# KiCad board PANEL5x4_COM_MOD.kicad_pcb (continued)
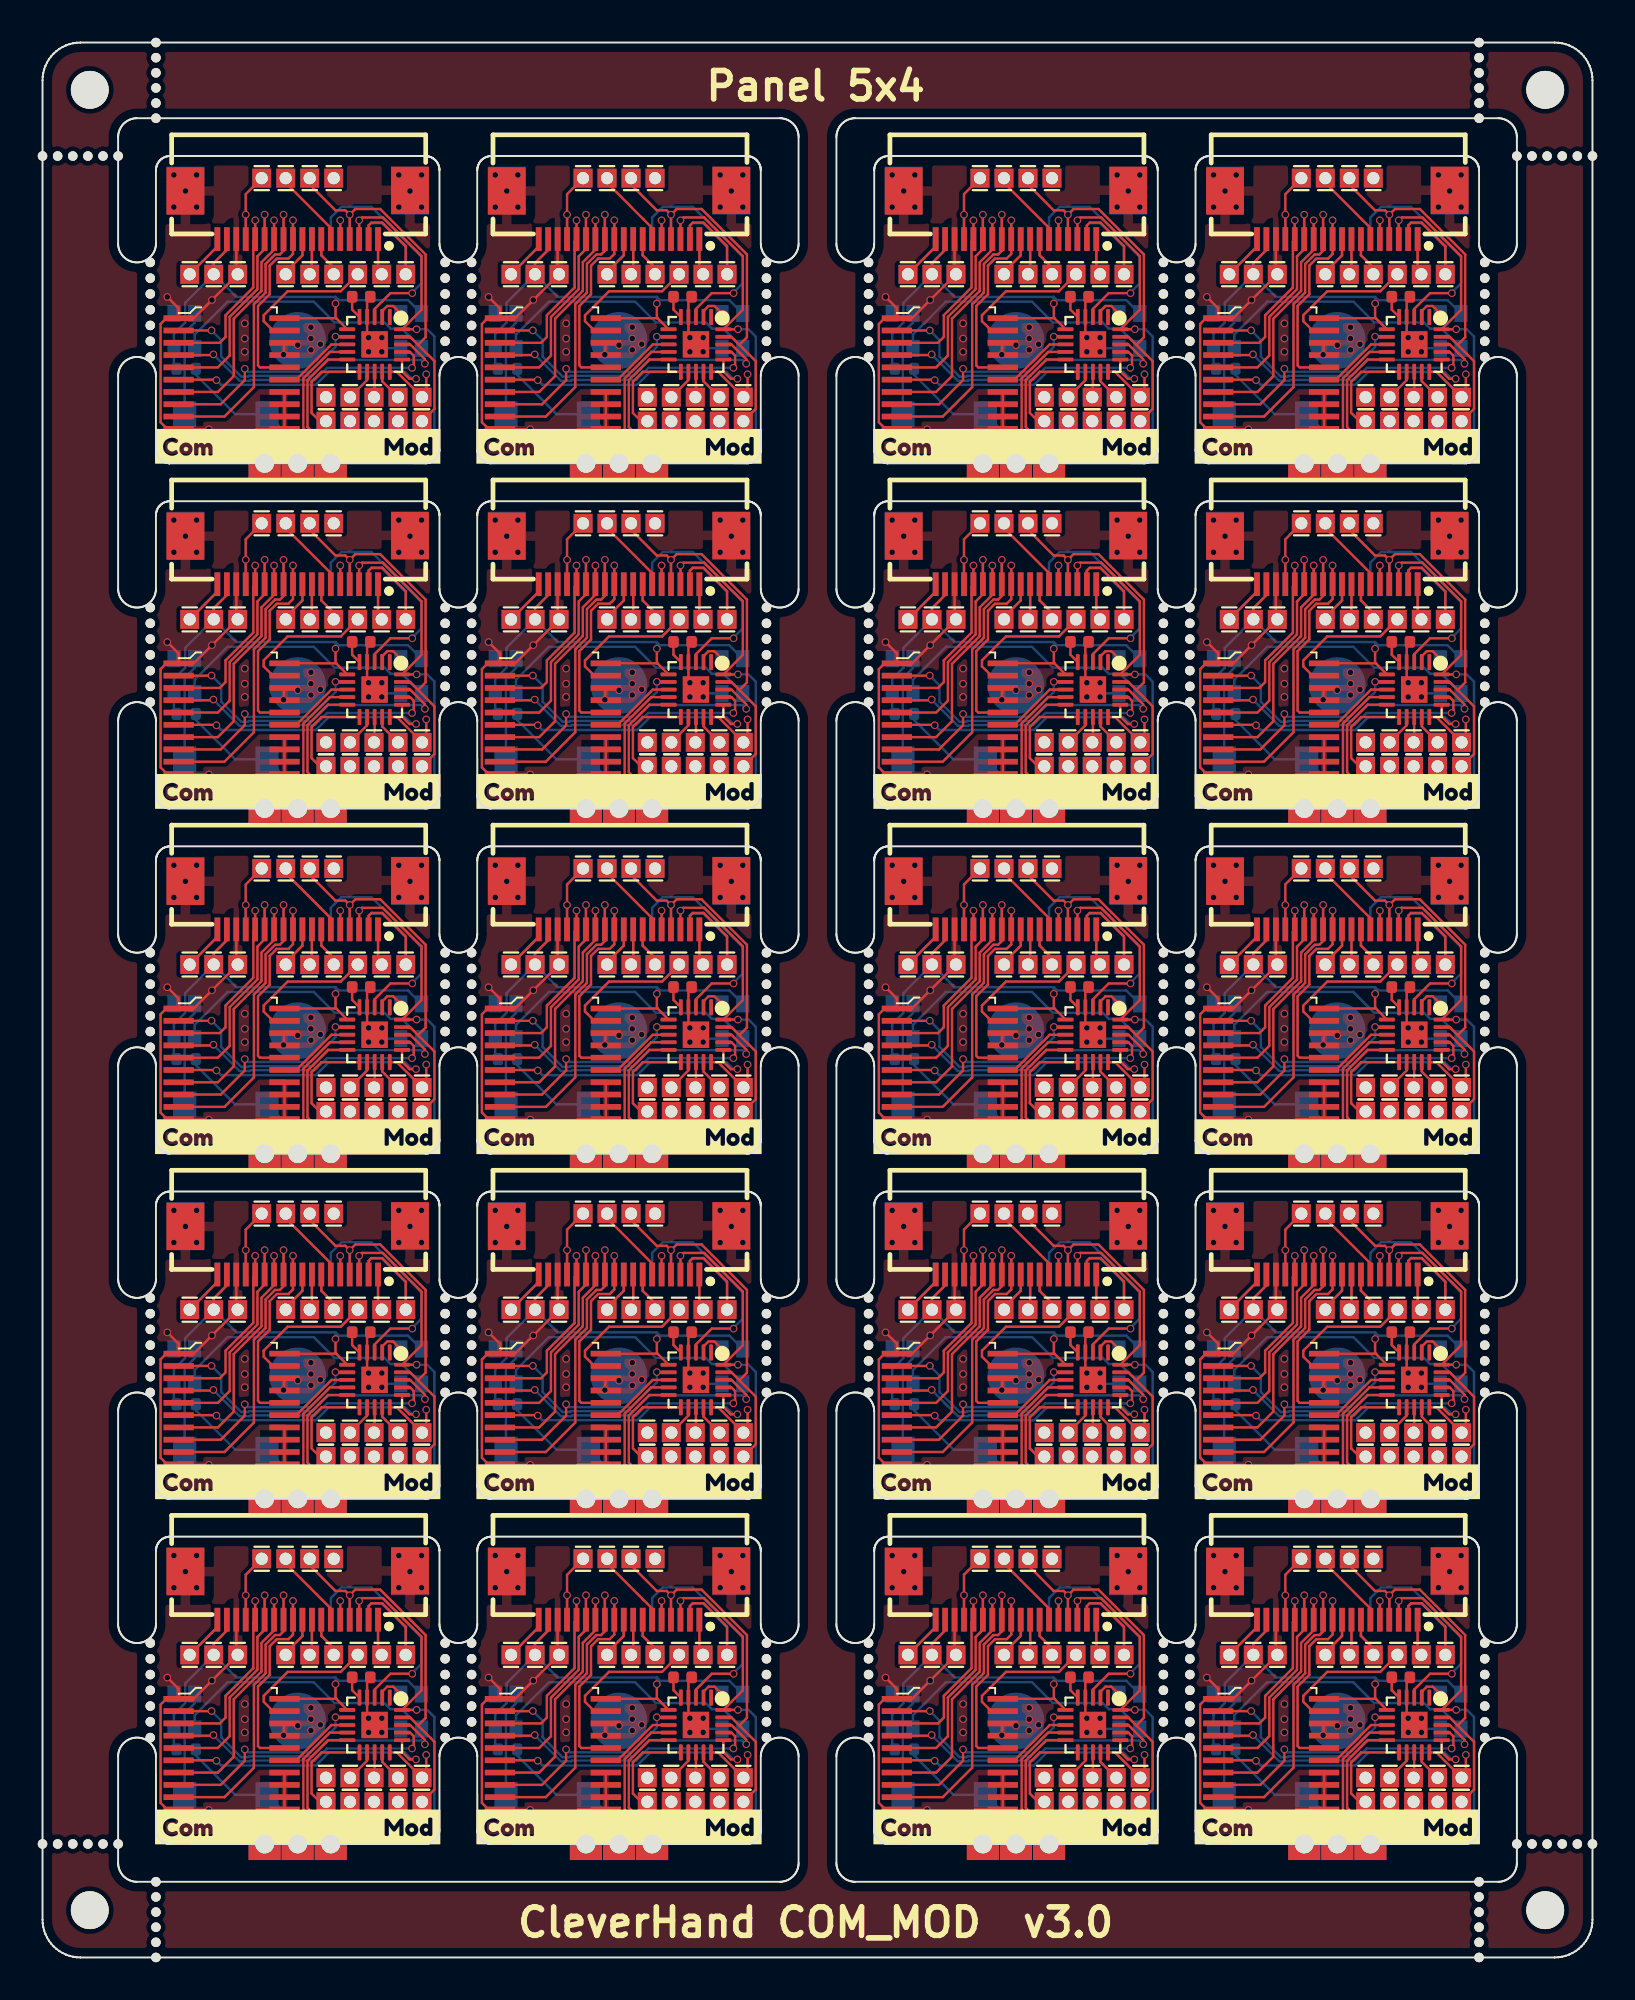
[diagram p0: board, top side]
## Nets (continued)
Board_15-/LED_IN: LED1#20.3 U1#16.2
Board_15-/LED_OUT: LED2#17.1
Board_15-/PICO: FPC1#2.11 FPC2#11.8 J6#18.1
Board_15-/PICO_ARM: J13#8.1 U1#16.13
Board_15-/POCI: FPC1#2.10 FPC2#11.9 J5.1
Board_15-/SCLK: FPC1#2.12 FPC2#11.7 J7#8.1
Board_15-/SCLK_ARM: J14#20.1 U1#16.12
Board_15-/SPICS_ARM: J15#10.1 U1#16.9
Board_15-/SWDIO/POCI_ARM: J12#20.1 U1#16.14
Board_15-/Vcap: C1#7.2 U1#16.5
Board_15-GND: C1#7.1 FPC1#2.3 FPC1#2.19 FPC1#2.20 FPC2#11.16 FPC2#11.19 FPC2#11.20 I1#12.1 J2#13.1 J22#13.1 J24#3.1 J25#11.1 J26#18.1 LED1#20.2 LED2#17.2 SW1#18.2 U1#16.4 U1#16.21 U2#19.1 U2#19.10 U2#19.11 U2#19.12 U2#19.13 U2#19.14 U2#19.17 U2#19.18
Board_15-Net-(LED1-DO): LED1#20.1 LED2#17.3
Board_15-unconnected-(U1-P00-Pad1): U1#16.1
Board_16-+3.3V: FPC1#15.2 FPC2#3.17 J1#4.1 LED1#3.4 LED2#15.4 R1#5.1 U1.6 U2#20.20
Board_16-/addr_bus_0: FPC1#15.5 FPC2#3.14 U2#20.3
Board_16-/addr_bus_1: FPC1#15.6 FPC2#3.13 U2#20.5
Board_16-/addr_bus_2: FPC1#15.7 FPC2#3.12 U2#20.7
Board_16-/addr_bus_3: FPC1#15.8 FPC2#3.11 U2#20.9
Board_16-/addr_bus_4: FPC1#15.9 FPC2#3.10 U2#20.16
Board_16-/addr_mod_0: U1.18 U2#20.2
Board_16-/addr_mod_1: U1.17 U2#20.4
Board_16-/addr_mod_2: U1.16 U2#20.6
Board_16-/addr_mod_3: U1.7 U2#20.8
Board_16-/addr_mod_4: U1.8 U2#20.15
Board_16-/AIN0: J18#20.1 U1.11
Board_16-/AUX1: FPC1#15.1 FPC2#3.18 J19#9.1
Board_16-/AUX2: FPC1#15.17 FPC2#3.2 J20#10.1
Board_16-/AUX3: FPC1#15.4 FPC2#3.15 J3#13.1
Board_16-/CSB: J8#14.1 U2#20.19
Board_16-/extRef: FPC1#15.18 FPC2#3.1 J9#8.1
Board_16-/GPIO: J21#16.1 R1#5.2 SW1#4.1 U1.10
Board_16-/i2C_SCL: FPC1#15.16 FPC2#3.3 J16#3.1 J23#13.1 U1.20
Board_16-/I2C_SDA: FPC1#15.15 FPC2#3.4 J10#11.1 J17#4.1 U1.19
Board_16-/IO1_in: FPC1#15.13 U1.3
Board_16-/IO1_out: FPC2#3.6 J4#16.1 J11#4.1 U1.15
Board_16-/IO2: FPC1#15.14 FPC2#3.5
Board_16-/LED_IN: LED1#3.3 U1.2
Board_16-/LED_OUT: LED2#15.1
Board_16-/PICO: FPC1#15.11 FPC2#3.8 J6#6.1
Board_16-/PICO_ARM: J13.1 U1.13
Board_16-/POCI: FPC1#15.10 FPC2#3.9 J5#8.1
Board_16-/SCLK: FPC1#15.12 FPC2#3.7 J7.1
Board_16-/SCLK_ARM: J14#3.1 U1.12
Board_16-/SPICS_ARM: J15#2.1 U1.9
Board_16-/SWDIO/POCI_ARM: J12#2.1 U1.14
Board_16-/Vcap: C1#15.2 U1.5
Board_16-GND: C1#15.1 FPC1#15.3 FPC1#15.19 FPC1#15.20 FPC2#3.16 FPC2#3.19 FPC2#3.20 I1#7.1 J2#12.1 J22#17.1 J24#15.1 J25#15.1 J26#8.1 LED1#3.2 LED2#15.2 SW1#4.2 U1.4 U1.21 U2#20.1 U2#20.10 U2#20.11 U2#20.12 U2#20.13 U2#20.14 U2#20.17 U2#20.18
Board_16-Net-(LED1-DO): LED1#3.1 LED2#15.3
Board_16-unconnected-(U1-P00-Pad1): U1.1
Board_17-+3.3V: FPC1#17.2 FPC2#10.17 J1#5.1 LED1#10.4 LED2#11.4 R1#18.1 U1#2.6 U2#15.20
Board_17-/addr_bus_0: FPC1#17.5 FPC2#10.14 U2#15.3
Board_17-/addr_bus_1: FPC1#17.6 FPC2#10.13 U2#15.5
Board_17-/addr_bus_2: FPC1#17.7 FPC2#10.12 U2#15.7
Board_17-/addr_bus_3: FPC1#17.8 FPC2#10.11 U2#15.9
Board_17-/addr_bus_4: FPC1#17.9 FPC2#10.10 U2#15.16
Board_17-/addr_mod_0: U1#2.18 U2#15.2
Board_17-/addr_mod_1: U1#2.17 U2#15.4
Board_17-/addr_mod_2: U1#2.16 U2#15.6
Board_17-/addr_mod_3: U1#2.7 U2#15.8
Board_17-/addr_mod_4: U1#2.8 U2#15.15
Board_17-/AIN0: J18.1 U1#2.11
Board_17-/AUX1: FPC1#17.1 FPC2#10.18 J19#10.1
Board_17-/AUX2: FPC1#17.17 FPC2#10.2 J20#20.1
Board_17-/AUX3: FPC1#17.4 FPC2#10.15 J3.1
Board_17-/CSB: J8#16.1 U2#15.19
Board_17-/extRef: FPC1#17.18 FPC2#10.1 J9#11.1
Board_17-/GPIO: J21#14.1 R1#18.2 SW1#9.1 U1#2.10
Board_17-/i2C_SCL: FPC1#17.16 FPC2#10.3 J16#14.1 J23#5.1 U1#2.20
Board_17-/I2C_SDA: FPC1#17.15 FPC2#10.4 J10#3.1 J17.1 U1#2.19
Board_17-/IO1_in: FPC1#17.13 U1#2.3
Board_17-/IO1_out: FPC2#10.6 J4#13.1 J11#20.1 U1#2.15
Board_17-/IO2: FPC1#17.14 FPC2#10.5
Board_17-/LED_IN: LED1#10.3 U1#2.2
Board_17-/LED_OUT: LED2#11.1
Board_17-/PICO: FPC1#17.11 FPC2#10.8 J6#14.1
Board_17-/PICO_ARM: J13#5.1 U1#2.13
Board_17-/POCI: FPC1#17.10 FPC2#10.9 J5#11.1
Board_17-/SCLK: FPC1#17.12 FPC2#10.7 J7#14.1
Board_17-/SCLK_ARM: J14#17.1 U1#2.12
Board_17-/SPICS_ARM: J15#4.1 U1#2.9
Board_17-/SWDIO/POCI_ARM: J12#3.1 U1#2.14
Board_17-/Vcap: C1#5.2 U1#2.5
Board_17-GND: C1#5.1 FPC1#17.3 FPC1#17.19 FPC1#17.20 FPC2#10.16 FPC2#10.19 FPC2#10.20 I1#19.1 J2.1 J22#7.1 J24#14.1 J25#16.1 J26#3.1 LED1#10.2 LED2#11.2 SW1#9.2 U1#2.4 U1#2.21 U2#15.1 U2#15.10 U2#15.11 U2#15.12 U2#15.13 U2#15.14 U2#15.17 U2#15.18
Board_17-Net-(LED1-DO): LED1#10.1 LED2#11.3
Board_17-unconnected-(U1-P00-Pad1): U1#2.1
Board_18-+3.3V: FPC1#19.2 FPC2#2.17 J1#7.1 LED1#11.4 LED2#8.4 R1#14.1 U1#15.6 U2#8.20
Board_18-/addr_bus_0: FPC1#19.5 FPC2#2.14 U2#8.3
Board_18-/addr_bus_1: FPC1#19.6 FPC2#2.13 U2#8.5
Board_18-/addr_bus_2: FPC1#19.7 FPC2#2.12 U2#8.7
Board_18-/addr_bus_3: FPC1#19.8 FPC2#2.11 U2#8.9
Board_18-/addr_bus_4: FPC1#19.9 FPC2#2.10 U2#8.16
Board_18-/addr_mod_0: U1#15.18 U2#8.2
Board_18-/addr_mod_1: U1#15.17 U2#8.4
Board_18-/addr_mod_2: U1#15.16 U2#8.6
Board_18-/addr_mod_3: U1#15.7 U2#8.8
Board_18-/addr_mod_4: U1#15.8 U2#8.15
Board_18-/AIN0: J18#13.1 U1#15.11
Board_18-/AUX1: FPC1#19.1 FPC2#2.18 J19#6.1
Board_18-/AUX2: FPC1#19.17 FPC2#2.2 J20#12.1
Board_18-/AUX3: FPC1#19.4 FPC2#2.15 J3#19.1
Board_18-/CSB: J8#18.1 U2#8.19
Board_18-/extRef: FPC1#19.18 FPC2#2.1 J9#15.1
Board_18-/GPIO: J21#8.1 R1#14.2 SW1#5.1 U1#15.10
Board_18-/i2C_SCL: FPC1#19.16 FPC2#2.3 J16#9.1 J23#18.1 U1#15.20
Board_18-/I2C_SDA: FPC1#19.15 FPC2#2.4 J10.1 J17#20.1 U1#15.19
Board_18-/IO1_in: FPC1#19.13 U1#15.3
Board_18-/IO1_out: FPC2#2.6 J4#15.1 J11#6.1 U1#15.15
Board_18-/IO2: FPC1#19.14 FPC2#2.5
Board_18-/LED_IN: LED1#11.3 U1#15.2
Board_18-/LED_OUT: LED2#8.1
Board_18-/PICO: FPC1#19.11 FPC2#2.8 J6#4.1
Board_18-/PICO_ARM: J13#12.1 U1#15.13
Board_18-/POCI: FPC1#19.10 FPC2#2.9 J5#12.1
Board_18-/SCLK: FPC1#19.12 FPC2#2.7 J7#11.1
Board_18-/SCLK_ARM: J14#14.1 U1#15.12
Board_18-/SPICS_ARM: J15#17.1 U1#15.9
Board_18-/SWDIO/POCI_ARM: J12#10.1 U1#15.14
Board_18-/Vcap: C1#2.2 U1#15.5
Board_18-GND: C1#2.1 FPC1#19.3 FPC1#19.19 FPC1#19.20 FPC2#2.16 FPC2#2.19 FPC2#2.20 I1#6.1 J2#8.1 J22#3.1 J24#4.1 J25#4.1 J26#2.1 LED1#11.2 LED2#8.2 SW1#5.2 U1#15.4 U1#15.21 U2#8.1 U2#8.10 U2#8.11 U2#8.12 U2#8.13 U2#8.14 U2#8.17 U2#8.18
Board_18-Net-(LED1-DO): LED1#11.1 LED2#8.3
Board_18-unconnected-(U1-P00-Pad1): U1#15.1
Board_19-+3.3V: FPC1#9.2 FPC2#5.17 J1#11.1 LED1#18.4 LED2#19.4 R1#17.1 U1#20.6 U2#14.20
Board_19-/addr_bus_0: FPC1#9.5 FPC2#5.14 U2#14.3
Board_19-/addr_bus_1: FPC1#9.6 FPC2#5.13 U2#14.5
Board_19-/addr_bus_2: FPC1#9.7 FPC2#5.12 U2#14.7
Board_19-/addr_bus_3: FPC1#9.8 FPC2#5.11 U2#14.9
Board_19-/addr_bus_4: FPC1#9.9 FPC2#5.10 U2#14.16
Board_19-/addr_mod_0: U1#20.18 U2#14.2
Board_19-/addr_mod_1: U1#20.17 U2#14.4
Board_19-/addr_mod_2: U1#20.16 U2#14.6
Board_19-/addr_mod_3: U1#20.7 U2#14.8
Board_19-/addr_mod_4: U1#20.8 U2#14.15
Board_19-/AIN0: J18#19.1 U1#20.11
Board_19-/AUX1: FPC1#9.1 FPC2#5.18 J19#5.1
Board_19-/AUX2: FPC1#9.17 FPC2#5.2 J20#8.1
Board_19-/AUX3: FPC1#9.4 FPC2#5.15 J3#4.1
Board_19-/CSB: J8#3.1 U2#14.19
Board_19-/extRef: FPC1#9.18 FPC2#5.1 J9#9.1
Board_19-/GPIO: J21#17.1 R1#17.2 SW1#6.1 U1#20.10
Board_19-/i2C_SCL: FPC1#9.16 FPC2#5.3 J16#16.1 J23#20.1 U1#20.20
Board_19-/I2C_SDA: FPC1#9.15 FPC2#5.4 J10#6.1 J17#15.1 U1#20.19
Board_19-/IO1_in: FPC1#9.13 U1#20.3
Board_19-/IO1_out: FPC2#5.6 J4#6.1 J11#9.1 U1#20.15
Board_19-/IO2: FPC1#9.14 FPC2#5.5
Board_19-/LED_IN: LED1#18.3 U1#20.2
Board_19-/LED_OUT: LED2#19.1
Board_19-/PICO: FPC1#9.11 FPC2#5.8 J6#19.1
Board_19-/PICO_ARM: J13#2.1 U1#20.13
Board_19-/POCI: FPC1#9.10 FPC2#5.9 J5#10.1
Board_19-/SCLK: FPC1#9.12 FPC2#5.7 J7#2.1
Board_19-/SCLK_ARM: J14#11.1 U1#20.12
Board_19-/SPICS_ARM: J15#18.1 U1#20.9
Board_19-/SWDIO/POCI_ARM: J12#19.1 U1#20.14
Board_19-/Vcap: C1#19.2 U1#20.5
Board_19-GND: C1#19.1 FPC1#9.3 FPC1#9.19 FPC1#9.20 FPC2#5.16 FPC2#5.19 FPC2#5.20 I1#4.1 J2#6.1 J22#10.1 J24#8.1 J25#10.1 J26.1 LED1#18.2 LED2#19.2 SW1#6.2 U1#20.4 U1#20.21 U2#14.1 U2#14.10 U2#14.11 U2#14.12 U2#14.13 U2#14.14 U2#14.17 U2#14.18
Board_19-Net-(LED1-DO): LED1#18.1 LED2#19.3
Board_19-unconnected-(U1-P00-Pad1): U1#20.1

## Via types
v1: diameter 0.4, hole 0.3, Top to Bottom, 980 vias

## Routing (per net, layer and track width the routed paths; a pad name or vN(x,y) marks a point on that pad's centre or on a via; arc(x,y) is an arc through that point)
Board_0-+3.3V: length 26.7
  Top w0.127: 15.55,86.66 15.5,86.71 v1(15.5,87.45) ; 15.55,86.66 15.53,86.68 U2#17.20 ; 15.55,86.66 U1#3.6 ; 9.75,90.83 9.75,90.29 9.05,89.59 J1#14.1
  Bottom w0.127: J1#14.1 9.05,89.59 9.75,90.29 9.75,90.83 ; J1#14.1 7.55,87.49 7.55,86.45 6.95,85.85 6.95,84.14 R1#10.1 ; J1#14.1 10.25,87.8 15.5,87.8 ; 15.5,87.8 15.67,87.63 19.34,87.63 20.05,86.92 ; 15.5,87.8 v1(15.5,87.45)
Board_0-/addr_bus_0: length 10.5
  Top w0.127: U2#17.3 9.37,85.38 9.68,85.68 9.68,86.83 11.15,88.3 11.15,90.73 11.25,90.83 v1(11.25,91.85)
  Bottom w0.127: 11.25,90.83 v1(11.25,91.85)
Board_0-/addr_bus_1: length 12.5
  Top w0.127: U2#17.5 9.27,84.08 9.9,84.7 9.9,86.74 11.37,88.21 11.37,89.95 11.75,90.33 v1(11.75,92.15)
  Bottom w0.127: 11.75,90.83 v1(11.75,92.15)
Board_0-/addr_bus_2: length 13.4
  Top w0.127: U2#17.7 9.27,82.78 10.12,83.62 10.12,86.65 11.58,88.12 11.58,89.63 12.25,90.3 v1(12.25,91.85)
  Bottom w0.127: 12.25,90.83 v1(12.25,91.85)
Board_0-/addr_bus_3: length 15.9
  Top w0.127: v1(12.75,92.15) 12.75,90.24 12.55,90.05 12.3,90.05 11.8,89.54 11.8,88.03 11.18,87.41 11.18,83.03 9.62,81.48 U2#17.9
  Bottom w0.127: 12.75,90.83 v1(12.75,92.15)
Board_0-/addr_bus_4: length 11.3
  Top w0.127: v1(13.25,91.85) 13.25,90.07 13.01,89.83 12.39,89.83 12.02,89.45 12.02,87.94 11.4,87.32 11.4,84.18 11.5,84.08 U2#17.16
  Bottom w0.127: 13.25,90.83 v1(13.25,91.85)
Board_0-/addr_mod_0: length 16.8
  Top w0.127: U1#3.18 19.44,85.29 20.23,84.51 v1(20.23,84.27) ; v1(8.94,86.03) 8.93,86.03 U2#17.2
  Bottom w0.127: v1(20.23,84.27) 20.03,84.47 15.12,84.47 14.27,83.63 10.91,83.63 10.87,83.59 10.51,83.59 9.45,84.65 9.45,85.52 v1(8.94,86.03)
Board_0-/addr_mod_1: length 14.6
  Top w0.127: U1#3.17 19.44,84.89 19.64,84.7 19.64,84.2 19.55,84.11 v1(19.55,84.05) ; U2#17.4 9,84.73 v1(9.04,84.76)
  Bottom w0.127: v1(19.55,84.05) 15.05,84.05 14.41,83.41 11,83.41 10.96,83.37 10.42,83.37 9.04,84.75 v1(9.04,84.76)
Board_0-/addr_mod_2: length 14.6
  Top w0.127: v1(19.76,83.47) 19.42,83.47 19.02,83.87 U1#3.16 ; U2#17.6 9.17,83.43 v1(9.2,83.4)
  Bottom w0.127: v1(19.76,83.47) 19.55,83.47 19.18,83.83 15.14,83.83 14.46,83.15 9.45,83.15 v1(9.2,83.4)
Board_0-/addr_mod_3: length 11.2
  Top w0.127: U2#17.8 9.42,82.13 10.7,83.4 v1(10.7,84) ; U1#3.7 15.69,85.69 15.68,85.7 v1(15.5,85.7)
  Bottom w0.127: v1(10.7,84) 10.85,83.85 14.18,83.85 15.5,85.16 v1(15.5,85.7)
Board_0-/addr_mod_4: length 4.1
  Top w0.127: U1#3.8 16.12,85.29 15.29,85.29 13.42,83.43 U2#17.15
Board_0-/AIN0: length 5.3
  Top w0.127: U1#3.11 14.76,83.84 14.23,83.31 14.23,81.67 14.67,81.23 15,81.23
Board_0-/AUX1: length 4.9
  Top w0.127: J19#20.1 9.25,90.47 9.25,90.83
  Bottom w0.127: J19#20.1 9.25,90.47 9.25,90.83
Board_0-/AUX2: length 9.5
  Top w0.127: J20.1 19.21,90.49 17.97,91.73 17.4,91.73 17.25,91.58 17.25,90.83
  Bottom w0.127: J20.1 19.21,90.44 17.96,91.7 17.37,91.7 17.25,91.58 17.25,90.83
Board_0-/AUX3: length 4.9
  Top w0.127: 10.75,90.83 v1(10.75,92.15) 10.75,93.24 J3#14.1
  Bottom w0.127: v1(10.75,92.15) 10.75,90.83
Board_0-/CSB: length 7.5
  Top w0.127: J8#17.1 15.77,88.1 12.97,88.1 11.7,86.83 11.7,86.52 12.19,86.03 U2#17.19
Board_0-/extRef: length 3.8
  Top w0.127: 17.75,90.83 17.75,89.2 J9#18.1
  Bottom w0.127: J9#18.1 17.75,89.2 17.75,90.83
Board_0-/GPIO: length 17.7
  Top w0.127: U1#3.10 15.1,84.49 14.02,83.4 14.02,80.92 14.36,80.58 15.62,80.58 16.27,81.23
  Bottom w0.127: 16.27,81.23 15.62,80.58 12.91,80.58 11.88,81.6 10.19,81.6 8.11,83.68 R1#10.2
Board_0-/i2C_SCL: length 22.5
  Top w0.127: v1(19.79,86.09) U1#3.20 20.05,87.12 20.05,89.96 18.01,92 16.9,92 v1(16.75,91.85) 16.75,90.83
  In2.Cu w0.127: v1(16.75,91.85) 16.75,92.74 J23#7.1
  Bottom w0.127: v1(16.75,91.85) 16.75,90.83 ; v1(19.79,86.09) 20.35,86.09 20.73,85.71 20.73,80.58 19.46,80.58 18.81,81.23
Board_0-/I2C_SDA: length 21.5
  Top w0.127: 16.25,90.83 v1(16.25,92.15) ; v1(16.25,92.15) 16.02,92.38 15.5,92.38 14.14,93.74 J10#8.1 ; v1(16.25,92.15) 16.55,92.45 17.86,92.45 20.27,90.05 20.27,85.67 19.87,85.27 ; 19.87,85.27 19.44,85.69 U1#3.19 ; 19.87,85.27 20.73,84.4 20.73,81.88 20.08,81.23
  Bottom w0.127: v1(16.25,92.15) 16.25,90.83
Board_0-/IO1_in: length 12.2
  Top w0.127: v1(19.56,88) 18.4,88 17.57,87.17 U1#3.3
  Bottom w0.127: 15.25,90.83 15.25,92 15.81,92.56 17.4,92.56 20.05,89.91 20.05,88.53 19.56,88.04 v1(19.56,88)
Board_0-/IO1_out: length 24.7
  Top w0.127: 15.25,90.83 15.25,91.45 12.86,93.84 J4#17.1 ; U1#3.15 18.74,83.84 20.08,82.5 20.3,82.72 v1(20.3,83.71)
  In2.Cu w0.127: J4#17.1 12.86,94.55 13.09,94.78 16.01,94.78 17.7,93.09 17.7,92.65 20.64,89.71 20.64,84.05 v1(20.3,83.71)
Board_0-/IO2: length 2.1
  Top w0.127: v1(15.75,91.85) 15.75,90.83
  Bottom w0.127: 15.75,90.83 v1(15.75,91.85)
Board_0-/LED_IN: length 1.6
  Top w0.127: U1#3.2 17.97,87.05 18.23,87.32 18.55,87.32 v1(18.95,86.92)
Board_0-/PICO: length 3.7
  Top w0.127: J6#11.1 14.25,89.12 14.25,90.83
  Bottom w0.127: 14.25,90.83 14.25,89.12 J6#11.1
Board_0-/PICO_ARM: length 1.4
  Top w0.127: U1#3.13 17.57,82.53 17.54,82.5
Board_0-/POCI: length 4.4
  Top w0.127: J5#19.1 12.86,89.12 13.75,90 13.75,90.83
  Bottom w0.127: J5#19.1 12.86,89.12 13.75,90 13.75,90.83
Board_0-/SCLK: length 4.2
  Top w0.127: J7#16.1 15.41,89.35 14.75,90 14.75,90.83
  Bottom w0.127: 14.75,90.83 14.75,90 15.41,89.35 J7#16.1
Board_0-/SCLK_ARM: length 1.7
  Top w0.127: 16.27,82.5 17.17,83.4 U1#3.12
Board_0-/SPICS_ARM: length 9.9
  Top w0.127: 17.54,81.23 16.67,80.36 14.27,80.36 13.8,80.83 13.8,83.49 15.2,84.89 U1#3.9
Board_0-/SWDIO/POCI_ARM: length 1.7
  Top w0.127: 18.81,82.5 17.97,83.34 U1#3.14
Board_0-/Vcap: length 1.2
  Top w0.127: C1#18.2 16.38,87.13 U1#3.5
Board_0-GND: length 34.7
  Top w0.127: U1#3.21 17.25,85.61 v1(17.25,85.65) 17.21,85.65 17.17,85.69 U1#3.4 17.17,87.64 C1#18.1 ; v1(6.6,87.8) 7.2,87.2 U2#17.1 ; 12.34,82.78 U2#17.14 U2#17.11 ; v1(11.1,80.6) 11.32,80.83 U2#17.11 ; U2#17.1 6.55,86.68 6.25,86.37 6.25,81.17 6.59,80.83 U2#17.10 7.23,80.8 v1(8.8,80.8) ; U2#17.1 8,86.68 v1(8.96,87.64) J2#20.1 10.25,89.08 10.25,90.83 ; U2#17.11 13.45,80.83 ; U2#17.17 v1(12.75,84.75) U2#17.18
  Bottom w0.127: 7.51,81.6 7.51,85.9 8.05,86.44 8.05,86.92 8.24,86.92 v1(8.96,87.64) ; J2#20.1 10.25,89.08 10.25,90.83 ; 18.95,85.09 18.13,85.09 v1(17.95,84.9) 17.76,85.09 17.66,85.09
  vias: v1(6.95,94.25) v1(6.95,92.55) v1(7.56,93.4) v1(8.15,94.25) v1(8.15,92.55) v1(10.7,86.4) v1(10.7,85.6) v1(10.7,84.9) v1(13.5,85.25) v1(14.2,86.2) v1(14.2,85.6) v1(14.2,85) v1(14.7,85.3) v1(17.25,84.9) v1(17.95,85.65) v1(18.85,94.25) v1(18.85,92.55) v1(19.44,93.4) v1(20.05,94.25) v1(20.05,92.55)
Board_0-Net-(LED1-DO): length 14.5
  Bottom w0.127: 8.05,85.09 8.05,85.81 9.79,87.55 14.35,87.55 15.45,86.45 18.09,86.45 18.41,86.13 19.01,86.13 20.05,85.09
Board_1-+3.3V: length 26.7
  Top w0.127: 32.55,86.66 32.5,86.71 v1(32.5,87.45) ; 32.55,86.66 U1#4.6 ; 32.55,86.66 32.53,86.68 U2#9.20 ; 26.75,90.83 26.75,90.29 26.05,89.59 J1#20.1
  Bottom w0.127: 37.05,86.92 36.34,87.63 32.67,87.63 32.5,87.8 ; 32.5,87.8 v1(32.5,87.45) ; 32.5,87.8 27.26,87.8 J1#20.1 ; J1#20.1 24.55,87.49 24.55,86.45 23.95,85.85 23.95,84.14 R1#2.1 ; J1#20.1 26.05,89.59 26.75,90.29 26.75,90.83
Board_1-/addr_bus_0: length 10.5
  Top w0.127: v1(28.25,91.85) 28.25,90.83 28.15,90.73 28.15,88.3 26.68,86.83 26.68,85.68 26.37,85.38 U2#9.3
  Bottom w0.127: 28.25,90.83 v1(28.25,91.85)
Board_1-/addr_bus_1: length 12.5
  Top w0.127: U2#9.5 26.27,84.08 26.9,84.7 26.9,86.74 28.37,88.21 28.37,89.95 28.75,90.33 v1(28.75,92.15)
  Bottom w0.127: 28.75,90.83 v1(28.75,92.15)
Board_1-/addr_bus_2: length 13.4
  Top w0.127: v1(29.25,91.85) 29.25,90.3 28.58,89.63 28.58,88.12 27.12,86.65 27.12,83.62 26.27,82.78 U2#9.7
  Bottom w0.127: 29.25,90.83 v1(29.25,91.85)
Board_1-/addr_bus_3: length 15.9
  Top w0.127: U2#9.9 26.62,81.48 28.18,83.03 28.18,87.41 28.8,88.03 28.8,89.54 29.3,90.05 29.55,90.05 29.75,90.24 v1(29.75,92.15)
  Bottom w0.127: 29.75,90.83 v1(29.75,92.15)
Board_1-/addr_bus_4: length 11.3
  Top w0.127: v1(30.25,91.85) 30.25,90.07 30.01,89.83 29.39,89.83 29.02,89.45 29.02,87.94 28.4,87.32 28.4,84.18 28.5,84.08 U2#9.16
  Bottom w0.127: 30.25,90.83 v1(30.25,91.85)
Board_1-/addr_mod_0: length 16.8
  Top w0.127: U1#4.18 36.44,85.29 37.23,84.51 v1(37.23,84.27) ; v1(25.94,86.03) 25.93,86.03 U2#9.2
  Bottom w0.127: v1(37.23,84.27) 37.03,84.47 32.12,84.47 31.27,83.63 27.91,83.63 27.87,83.59 27.51,83.59 26.45,84.65 26.45,85.52 v1(25.94,86.03)
Board_1-/addr_mod_1: length 14.6
  Top w0.127: v1(26.04,84.76) 26,84.73 U2#9.4 ; v1(36.55,84.05) 36.55,84.11 36.64,84.2 36.64,84.7 36.44,84.89 U1#4.17
  Bottom w0.127: v1(26.04,84.76) 26.04,84.75 27.42,83.37 27.96,83.37 28,83.41 31.41,83.41 32.05,84.05 v1(36.55,84.05)
Board_1-/addr_mod_2: length 14.6
  Top w0.127: U1#4.16 36.02,83.87 36.42,83.47 v1(36.76,83.47) ; U2#9.6 26.17,83.43 v1(26.2,83.4)
  Bottom w0.127: v1(26.2,83.4) 26.45,83.15 31.46,83.15 32.14,83.83 36.18,83.83 36.55,83.47 v1(36.76,83.47)
Board_1-/addr_mod_3: length 11.2
  Top w0.127: v1(27.7,84) 27.7,83.4 26.42,82.13 U2#9.8 ; v1(32.5,85.7) 32.68,85.7 32.69,85.69 U1#4.7
  Bottom w0.127: v1(27.7,84) 27.85,83.85 31.18,83.85 32.5,85.16 v1(32.5,85.7)
Board_1-/addr_mod_4: length 4.1
  Top w0.127: U2#9.15 30.42,83.43 32.29,85.29 33.12,85.29 U1#4.8
Board_1-/AIN0: length 5.3
  Top w0.127: U1#4.11 31.76,83.84 31.23,83.31 31.23,81.67 31.67,81.23 32,81.23
Board_1-/AUX1: length 4.9
  Top w0.127: J19#17.1 26.25,90.47 26.25,90.83
  Bottom w0.127: J19#17.1 26.25,90.47 26.25,90.83
Board_1-/AUX2: length 9.5
  Top w0.127: 34.25,90.83 34.25,91.58 34.4,91.73 34.97,91.73 36.22,90.49 J20#14.1
  Bottom w0.127: 34.25,90.83 34.25,91.58 34.37,91.7 34.96,91.7 36.22,90.44 J20#14.1
Board_1-/AUX3: length 4.9
  Top w0.127: J3#2.1 27.75,93.24 v1(27.75,92.15) 27.75,90.83
  Bottom w0.127: v1(27.75,92.15) 27.75,90.83
Board_1-/CSB: length 7.5
  Top w0.127: J8#19.1 32.77,88.1 29.97,88.1 28.7,86.83 28.7,86.52 29.19,86.03 U2#9.19
Board_1-/extRef: length 3.8
  Top w0.127: J9#6.1 34.75,89.2 34.75,90.83
  Bottom w0.127: J9#6.1 34.75,89.2 34.75,90.83
Board_1-/GPIO: length 17.7
  Top w0.127: U1#4.10 32.1,84.49 31.02,83.4 31.02,80.92 31.36,80.58 32.62,80.58 33.27,81.23
  Bottom w0.127: R1#2.2 25.11,83.68 27.19,81.6 28.88,81.6 29.91,80.58 32.62,80.58 33.27,81.23
Board_1-/i2C_SCL: length 22.5
  Top w0.127: 33.75,90.83 v1(33.75,91.85) 33.9,92 35.01,92 37.05,89.96 37.05,87.12 U1#4.20 v1(36.79,86.09)
  In2.Cu w0.127: J23#14.1 33.75,92.74 v1(33.75,91.85)
  Bottom w0.127: v1(36.79,86.09) 37.35,86.09 37.73,85.71 37.73,80.58 36.46,80.58 35.81,81.23 ; v1(33.75,91.85) 33.75,90.83
Board_1-/I2C_SDA: length 21.5
  Top w0.127: 37.08,81.23 37.73,81.88 37.73,84.4 36.87,85.27 ; v1(33.25,92.15) 33.02,92.38 32.49,92.38 31.13,93.74 J10#12.1 ; v1(33.25,92.15) 33.25,90.83 ; v1(33.25,92.15) 33.55,92.45 34.86,92.45 37.27,90.05 37.27,85.67 36.87,85.27 ; 36.87,85.27 36.44,85.69 U1#4.19
  Bottom w0.127: v1(33.25,92.15) 33.25,90.83
Board_1-/IO1_in: length 12.2
  Top w0.127: v1(36.56,88) 35.4,88 34.57,87.17 U1#4.3
  Bottom w0.127: v1(36.56,88) 36.56,88.04 37.05,88.53 37.05,89.91 34.4,92.56 32.81,92.56 32.25,92 32.25,90.83
Board_1-/IO1_out: length 24.7
  Top w0.127: 32.25,90.83 32.25,91.45 29.87,93.84 J4#2.1 ; U1#4.15 35.74,83.84 37.08,82.5 37.3,82.72 v1(37.3,83.71)
  In2.Cu w0.127: v1(37.3,83.71) 37.64,84.05 37.64,89.71 34.7,92.65 34.7,93.09 33.01,94.78 30.09,94.78 29.87,94.55 J4#2.1
Board_1-/IO2: length 2.1
  Top w0.127: v1(32.75,91.85) 32.75,90.83
  Bottom w0.127: 32.75,90.83 v1(32.75,91.85)
Board_1-/LED_IN: length 1.6
  Top w0.127: U1#4.2 34.97,87.05 35.23,87.32 35.55,87.32 v1(35.95,86.92)
Board_1-/PICO: length 3.7
  Top w0.127: 31.25,90.83 31.25,89.12 J6#9.1
  Bottom w0.127: 31.25,90.83 31.25,89.12 J6#9.1
Board_1-/PICO_ARM: length 1.4
  Top w0.127: 34.54,82.5 34.57,82.53 U1#4.13
Board_1-/POCI: length 4.4
  Top w0.127: 30.75,90.83 30.75,90 29.87,89.12 J5#3.1
  Bottom w0.127: 30.75,90.83 30.75,90 29.87,89.12 J5#3.1
Board_1-/SCLK: length 4.2
  Top w0.127: J7#3.1 32.41,89.35 31.75,90 31.75,90.83
  Bottom w0.127: J7#3.1 32.41,89.35 31.75,90 31.75,90.83
Board_1-/SCLK_ARM: length 1.7
  Top w0.127: U1#4.12 34.17,83.4 33.27,82.5
Board_1-/SPICS_ARM: length 9.9
  Top w0.127: U1#4.9 32.2,84.89 30.8,83.49 30.8,80.83 31.27,80.36 33.67,80.36 34.54,81.23
Board_1-/SWDIO/POCI_ARM: length 1.7
  Top w0.127: U1#4.14 34.97,83.34 35.81,82.5
Board_1-/Vcap: length 1.2
  Top w0.127: C1#6.2 33.38,87.13 U1#4.5
Board_1-GND: length 34.7
  Top w0.127: C1#6.1 34.17,87.64 U1#4.4 34.17,85.69 34.21,85.65 v1(34.25,85.65) 34.25,85.61 U1#4.21 ; U2#9.1 24.2,87.2 v1(23.6,87.8) ; U2#9.1 23.55,86.68 23.25,86.37 23.25,81.17 23.59,80.83 U2#9.10 24.23,80.8 v1(25.8,80.8) ; U2#9.1 25,86.68 v1(25.96,87.64) J2#2.1 27.25,89.08 27.25,90.83 ; U2#9.11 30.45,80.83 ; U2#9.11 U2#9.14 29.34,82.78 ; U2#9.11 28.32,80.83 v1(28.1,80.6) ; U2#9.17 v1(29.75,84.75) U2#9.18
  Bottom w0.127: 35.95,85.09 35.13,85.09 v1(34.95,84.9) 34.76,85.09 34.66,85.09 ; 27.25,90.83 27.25,89.08 J2#2.1 ; v1(25.96,87.64) 25.24,86.92 25.05,86.92 25.05,86.44 24.51,85.9 24.51,81.6
  vias: v1(23.95,94.25) v1(23.95,92.55) v1(24.56,93.4) v1(25.15,94.25) v1(25.15,92.55) v1(27.7,86.4) v1(27.7,85.6) v1(27.7,84.9) v1(30.5,85.25) v1(31.2,86.2) v1(31.2,85.6) v1(31.2,85) v1(31.7,85.3) v1(34.25,84.9) v1(34.95,85.65) v1(35.85,94.25) v1(35.85,92.55) v1(36.44,93.4) v1(37.05,94.25) v1(37.05,92.55)
Board_1-Net-(LED1-DO): length 14.5
  Bottom w0.127: 25.05,85.09 25.05,85.81 26.79,87.55 31.35,87.55 32.45,86.45 35.09,86.45 35.41,86.13 36.01,86.13 37.05,85.09
Board_2-+3.3V: length 26.7
  Top w0.127: 53.55,86.66 53.5,86.71 v1(53.5,87.45) ; 53.55,86.66 53.53,86.68 U2#11.20 ; 53.55,86.66 U1#9.6 ; J1#2.1 47.05,89.59 47.75,90.29 47.75,90.83
  Bottom w0.127: 53.5,87.8 53.67,87.63 57.34,87.63 58.05,86.92 ; 53.5,87.8 48.26,87.8 J1#2.1 ; 53.5,87.8 v1(53.5,87.45) ; J1#2.1 47.05,89.59 47.75,90.29 47.75,90.83 ; J1#2.1 45.55,87.49 45.55,86.45 44.95,85.85 44.95,84.14 R1#16.1
Board_2-/addr_bus_0: length 10.5
  Top w0.127: v1(49.25,91.85) 49.25,90.83 49.15,90.73 49.15,88.3 47.68,86.83 47.68,85.68 47.37,85.38 U2#11.3
  Bottom w0.127: 49.25,90.83 v1(49.25,91.85)
Board_2-/addr_bus_1: length 12.5
  Top w0.127: U2#11.5 47.27,84.08 47.9,84.7 47.9,86.74 49.37,88.21 49.37,89.95 49.75,90.33 v1(49.75,92.15)
  Bottom w0.127: 49.75,90.83 v1(49.75,92.15)
Board_2-/addr_bus_2: length 13.4
  Top w0.127: U2#11.7 47.27,82.78 48.12,83.62 48.12,86.65 49.58,88.12 49.58,89.63 50.25,90.3 v1(50.25,91.85)
  Bottom w0.127: 50.25,90.83 v1(50.25,91.85)
Board_2-/addr_bus_3: length 15.9
  Top w0.127: U2#11.9 47.62,81.48 49.18,83.03 49.18,87.41 49.8,88.03 49.8,89.54 50.3,90.05 50.55,90.05 50.75,90.24 v1(50.75,92.15)
  Bottom w0.127: 50.75,90.83 v1(50.75,92.15)
Board_2-/addr_bus_4: length 11.3
  Top w0.127: U2#11.16 49.5,84.08 49.4,84.18 49.4,87.32 50.02,87.94 50.02,89.45 50.39,89.83 51.01,89.83 51.25,90.07 v1(51.25,91.85)
  Bottom w0.127: 51.25,90.83 v1(51.25,91.85)
Board_2-/addr_mod_0: length 16.8
  Top w0.127: U1#9.18 57.44,85.29 58.23,84.51 v1(58.23,84.27) ; U2#11.2 46.93,86.03 v1(46.94,86.03)
  Bottom w0.127: v1(58.23,84.27) 58.03,84.47 53.12,84.47 52.27,83.63 48.91,83.63 48.87,83.59 48.51,83.59 47.45,84.65 47.45,85.52 v1(46.94,86.03)
Board_2-/addr_mod_1: length 14.6
  Top w0.127: v1(47.04,84.76) 47,84.73 U2#11.4 ; v1(57.55,84.05) 57.55,84.11 57.64,84.2 57.64,84.7 57.44,84.89 U1#9.17
  Bottom w0.127: v1(57.55,84.05) 53.05,84.05 52.41,83.41 49,83.41 48.96,83.37 48.42,83.37 47.04,84.75 v1(47.04,84.76)
Board_2-/addr_mod_2: length 14.6
  Top w0.127: v1(47.2,83.4) 47.17,83.43 U2#11.6 ; U1#9.16 57.02,83.87 57.42,83.47 v1(57.76,83.47)
  Bottom w0.127: v1(57.76,83.47) 57.55,83.47 57.18,83.83 53.14,83.83 52.46,83.15 47.45,83.15 v1(47.2,83.4)
Board_2-/addr_mod_3: length 11.2
  Top w0.127: v1(53.5,85.7) 53.68,85.7 53.69,85.69 U1#9.7 ; U2#11.8 47.42,82.13 48.7,83.4 v1(48.7,84)
  Bottom w0.127: v1(48.7,84) 48.85,83.85 52.18,83.85 53.5,85.16 v1(53.5,85.7)
Board_2-/addr_mod_4: length 4.1
  Top w0.127: U2#11.15 51.42,83.43 53.29,85.29 54.12,85.29 U1#9.8
Board_2-/AIN0: length 5.3
  Top w0.127: U1#9.11 52.76,83.84 52.23,83.31 52.23,81.67 52.67,81.23 53,81.23
Board_2-/AUX1: length 4.9
  Top w0.127: J19#7.1 47.25,90.47 47.25,90.83
  Bottom w0.127: J19#7.1 47.25,90.47 47.25,90.83
Board_2-/AUX2: length 9.5
  Top w0.127: 55.25,90.83 55.25,91.58 55.4,91.73 55.97,91.73 57.22,90.49 J20#5.1
  Bottom w0.127: 55.25,90.83 55.25,91.58 55.37,91.7 55.96,91.7 57.22,90.44 J20#5.1
Board_2-/AUX3: length 4.9
  Top w0.127: 48.75,90.83 v1(48.75,92.15) 48.75,93.24 J3#6.1
  Bottom w0.127: v1(48.75,92.15) 48.75,90.83
Board_2-/CSB: length 7.5
  Top w0.127: U2#11.19 50.19,86.03 49.7,86.52 49.7,86.83 50.97,88.1 53.77,88.1 J8#2.1
Board_2-/extRef: length 3.8
  Top w0.127: 55.75,90.83 55.75,89.2 J9#14.1
  Bottom w0.127: 55.75,90.83 55.75,89.2 J9#14.1
Board_2-/GPIO: length 17.7
  Top w0.127: U1#9.10 53.1,84.49 52.02,83.4 52.02,80.92 52.36,80.58 53.62,80.58 54.27,81.23
  Bottom w0.127: R1#16.2 46.11,83.68 48.19,81.6 49.88,81.6 50.91,80.58 53.62,80.58 54.27,81.23
Board_2-/i2C_SCL: length 22.5
  Top w0.127: 54.75,90.83 v1(54.75,91.85) 54.9,92 56.01,92 58.05,89.96 58.05,87.12 U1#9.20 v1(57.79,86.09)
  In2.Cu w0.127: v1(54.75,91.85) 54.75,92.74 J23#19.1